# KiCad board doom_v1.kicad_pcb (continued)
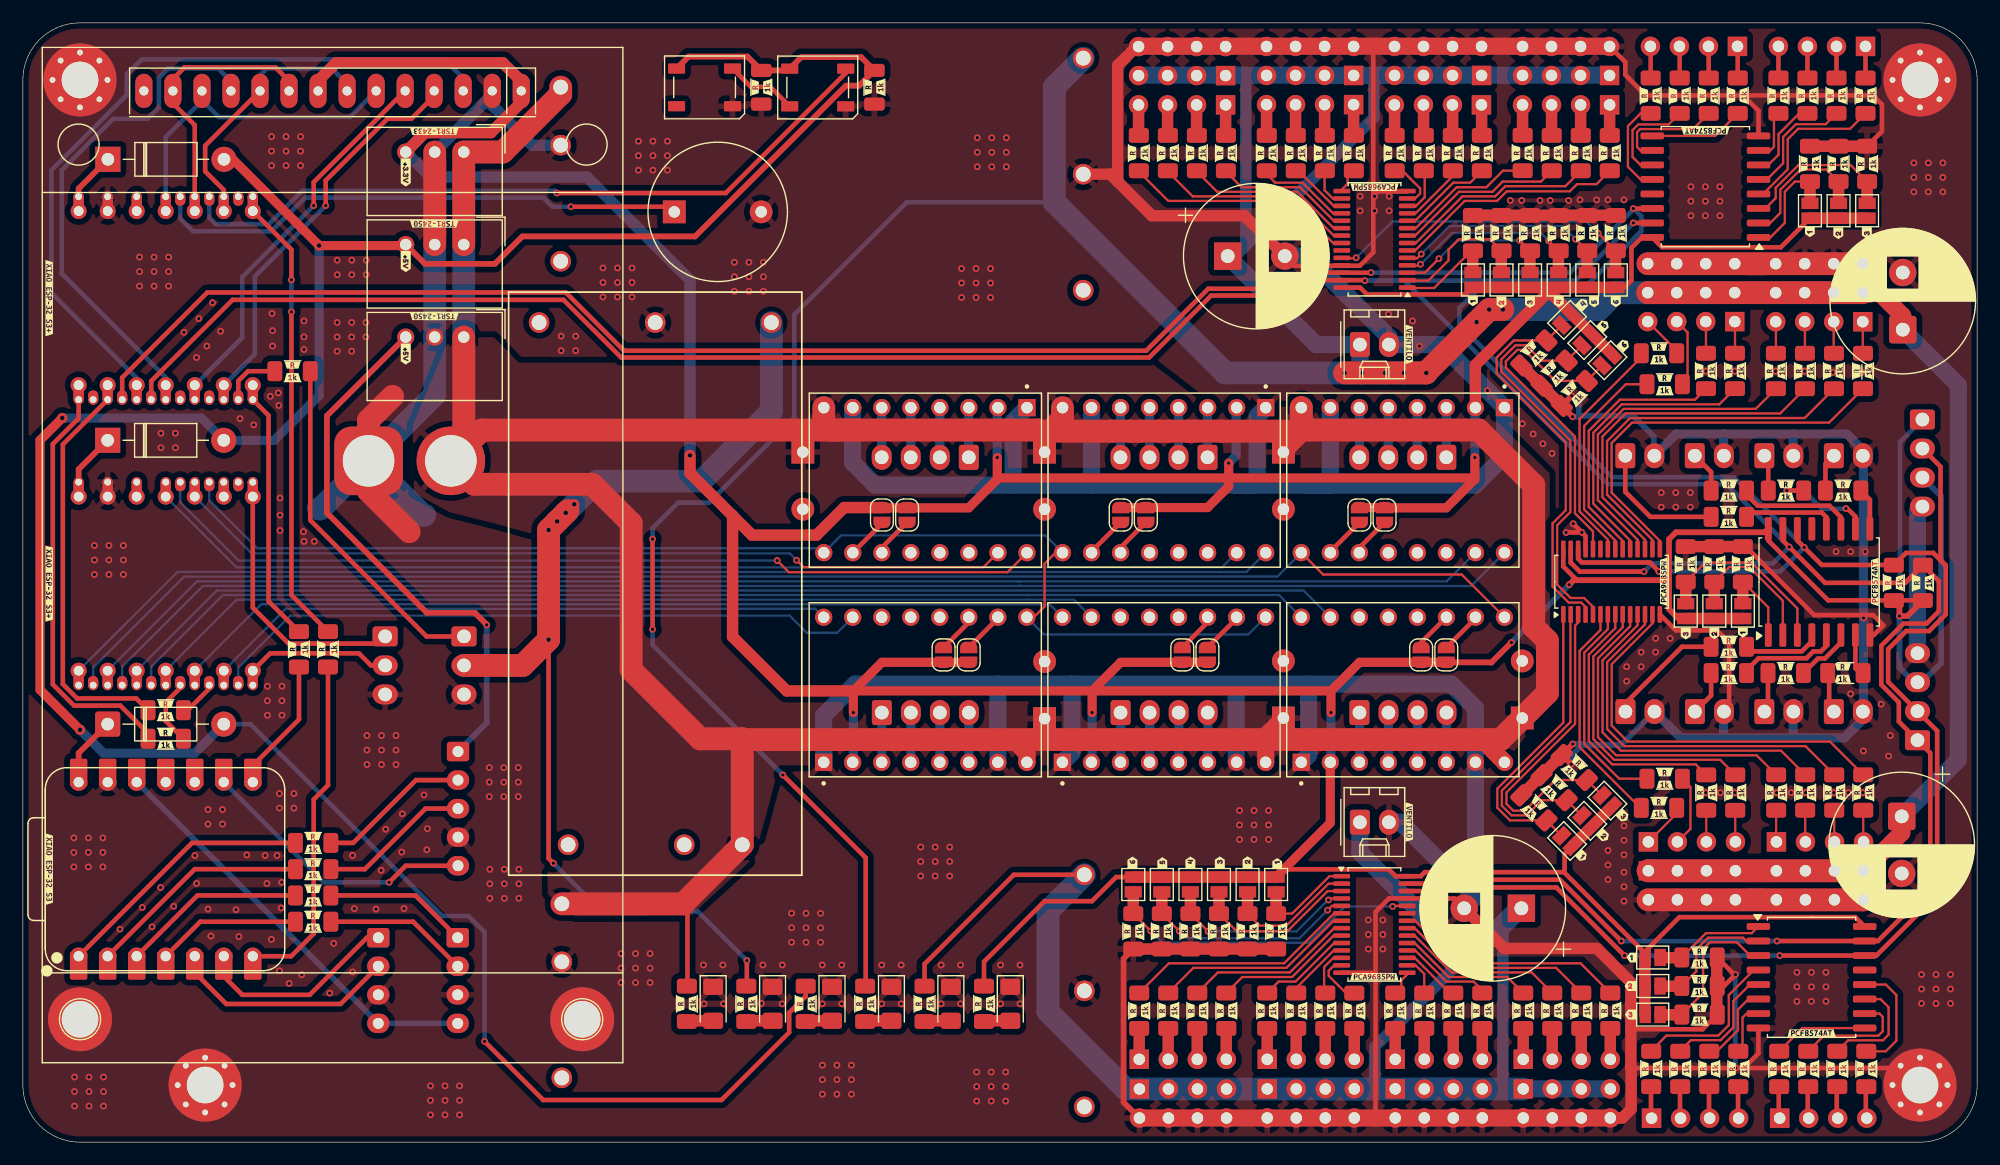
[diagram p0: board, top side]
## Placement (name value [footprint] x y rotation side) (continued)
kibuzzard-690E9406#27  G***  [kibuzzard-690E9406]  99.12 18.46 90 top
kibuzzard-690E9406#28  G***  [kibuzzard-690E9406]  96.63 18.46 90 top
kibuzzard-690E9406#29  G***  [kibuzzard-690E9406]  108.34 11.51 90 top
kibuzzard-690E9406#30  G***  [kibuzzard-690E9406]  113.38 86.6 90 top
kibuzzard-690E9406#31  G***  [kibuzzard-690E9406]  159.25 41.62 0 top
kibuzzard-690E9406#32  G***  [kibuzzard-690E9406]  132.6 29.65 315 top
kibuzzard-690E9406#33  G***  [kibuzzard-690E9406]  122.09 11.51 90 top
kibuzzard-690E9406#34  G***  [kibuzzard-690E9406]  160.83 85.65 90 top
kibuzzard-690E9406#35  G***  [kibuzzard-690E9406]  119.5 86.6 90 top
kibuzzard-690E9406#36  G***  [kibuzzard-690E9406]  160.69 91.63 90 top
kibuzzard-690E9406#37  G***  [kibuzzard-690E9406]  135.37 65.94 45 top
kibuzzard-690E9406#38  G***  [kibuzzard-690E9406]  134.37 31.41 315 top
kibuzzard-690E9406#39  G***  [kibuzzard-690E9406]  146.71 11.71 0 top
kibuzzard-690E9406#40  G***  [kibuzzard-690E9406]  157.91 67.52 90 top
kibuzzard-690E9406#41  G***  [kibuzzard-690E9406]  160.46 67.52 90 top
kibuzzard-690E9406#42  G***  [kibuzzard-690E9406]  149.25 41.62 0 top
kibuzzard-690E9406#43  G***  [kibuzzard-690E9406]  153.06 91.63 90 top
kibuzzard-690E9406#44  G***  [kibuzzard-690E9406]  108.3 86.6 90 top
kibuzzard-690E9406#45  G***  [kibuzzard-690E9406]  141.89 91.63 90 top
kibuzzard-690E9406#46  G***  [kibuzzard-690E9406]  102.21 11.51 90 top
kibuzzard-690E9406#47  G***  [kibuzzard-690E9406]  138.33 86.6 90 top
kibuzzard-690E9406#48  G***  [kibuzzard-690E9406]  57.56 12.11 90 top
kibuzzard-690E9406#49  G***  [kibuzzard-690E9406]  136.13 33.17 315 top
kibuzzard-690E9406#50  G***  [kibuzzard-690E9406]  135.82 11.51 90 top
kibuzzard-690E9406#51  G***  [kibuzzard-690E9406]  106.62 18.46 90 top
kibuzzard-690E9406#52  G***  [kibuzzard-690E9406]  133.25 86.6 90 top
kibuzzard-690E9406#53  G***  [kibuzzard-690E9406]  146.72 67.52 90 top
kibuzzard-690E9406#54  G***  [kibuzzard-690E9406]  146.71 14.21 0 top
kibuzzard-690E9406#55  G***  [kibuzzard-690E9406]  155.84 85.65 90 top
kibuzzard-690E9406#56  G***  [kibuzzard-690E9406]  130.74 11.51 90 top
kibuzzard-690E9406#57  G***  [kibuzzard-690E9406]  99.69 11.51 90 top
kibuzzard-690E9406#58  G***  [kibuzzard-690E9406]  110.85 86.6 90 top
kibuzzard-690E9406#59  G***  [kibuzzard-690E9406]  138.37 11.51 90 top
kibuzzard-690E9406#60  G***  [kibuzzard-690E9406]  12.5 35.86 0 top
kibuzzard-690E9406#61  G***  [kibuzzard-690E9406]  149.27 57.58 0 top
kibuzzard-690E9406#62  G***  [kibuzzard-690E9406]  99.65 86.6 90 top
kibuzzard-690E9406#63  G***  [kibuzzard-690E9406]  155.38 67.52 90 top
kibuzzard-690E9406#64  G***  [kibuzzard-690E9406]  128.84 79.59 90 top
kibuzzard-690E9406#65  G***  [kibuzzard-690E9406]  153.14 6.41 90 top
kibuzzard-690E9406#66  G***  [kibuzzard-690E9406]  25.4 24.43 0 top
kibuzzard-690E9406#67  G***  [kibuzzard-690E9406]  149.27 55.28 0 top
kibuzzard-690E9406#68  G***  [kibuzzard-690E9406]  73.16 12.11 90 top
kibuzzard-690E9406#69  G***  [kibuzzard-690E9406]  158.33 85.65 90 top
kibuzzard-690E9406#70  G***  [kibuzzard-690E9406]  113.42 11.51 90 top
kibuzzard-690E9406#71  G***  [kibuzzard-690E9406]  131.34 79.59 90 top
kibuzzard-690E9406#72  G***  [kibuzzard-690E9406]  23.6 43.15 90 top
kibuzzard-690E9406#73  G***  [kibuzzard-690E9406]  160.5 30.61 90 top
kibuzzard-690E9406#74  G***  [kibuzzard-690E9406]  149.56 6.41 90 top
kibuzzard-690E9406#75  G***  [kibuzzard-690E9406]  64.07 92.35 90 top
kibuzzard-690E9406#76  G***  [kibuzzard-690E9406]  115.93 86.6 90 top
kibuzzard-690E9406#77  G***  [kibuzzard-690E9406]  158.22 6.41 90 top
kibuzzard-690E9406#78  G***  [kibuzzard-690E9406]  143.16 69.61 0 top
kibuzzard-690E9406#79  G***  [kibuzzard-690E9406]  67.97 12.11 90 top
kibuzzard-690E9406#80  G***  [kibuzzard-690E9406]  143.66 66.9 0 top
kibuzzard-690E9406#81  G***  [kibuzzard-690E9406]  158.14 91.63 90 top
kibuzzard-690E9406#82  G***  [kibuzzard-690E9406]  126.35 79.59 90 top
kibuzzard-690E9406#83  G***  [kibuzzard-690E9406]  133.85 79.59 90 top
kibuzzard-690E9406#84  G***  [kibuzzard-690E9406]  144.44 91.63 90 top
kibuzzard-690E9406#85  G***  [kibuzzard-690E9406]  149.95 50.6 90 top
kibuzzard-690E9406#86  G***  [kibuzzard-690E9406]  155.42 30.61 90 top
kibuzzard-690E9406#87  G***  [kibuzzard-690E9406]  124.62 11.51 90 top
kibuzzard-690E9406#88  G***  [kibuzzard-690E9406]  146.71 16.7 0 top
kibuzzard-690E9406#89  G***  [kibuzzard-690E9406]  154.25 41.62 0 top
kibuzzard-690E9406#90  G***  [kibuzzard-690E9406]  147.01 6.41 90 top
kibuzzard-690E9406#91  G***  [kibuzzard-690E9406]  149.27 43.92 0 top
kibuzzard-690E9406#92  G***  [kibuzzard-690E9406]  149.3 30.61 90 top
kibuzzard-690E9406#93  G***  [kibuzzard-690E9406]  25.4 26.75 0 top
kibuzzard-690E9406#94  G***  [kibuzzard-690E9406]  141.93 6.41 90 top
kibuzzard-690E9406#95  G***  [kibuzzard-690E9406]  12.5 38.35 0 top
kibuzzard-690E9406#96  G***  [kibuzzard-690E9406]  159.27 57.58 0 top
kibuzzard-690E9406#97  G***  [kibuzzard-690E9406]  104.72 86.6 90 top
kibuzzard-690E9406#98  G***  [kibuzzard-690E9406]  149.27 67.52 90 top
kibuzzard-690E9406#99  G***  [kibuzzard-690E9406]  146.97 91.63 90 top
kibuzzard-690E9406#100  G***  [kibuzzard-690E9406]  124.58 86.6 90 top
kibuzzard-690E9406#101  G***  [kibuzzard-690E9406]  110.89 11.51 90 top
kibuzzard-690E9406#102  G***  [kibuzzard-690E9406]  149.52 91.63 90 top
kibuzzard-690E9406#103  G***  [kibuzzard-690E9406]  157.95 30.61 90 top
kibuzzard-690E9406#104  G***  [kibuzzard-690E9406]  146.75 30.61 90 top
kibuzzard-690E9406#105  G***  [kibuzzard-690E9406]  97.14 11.51 90 top
kibuzzard-690E9406#106  G***  [kibuzzard-690E9406]  62.77 12.11 90 top
kibuzzard-690E9406#107  G***  [kibuzzard-690E9406]  152.83 67.52 90 top
kibuzzard-690E9406#108  G***  [kibuzzard-690E9406]  127.13 86.6 90 top
kibuzzard-690E9406#109  G***  [kibuzzard-690E9406]  115.97 11.51 90 top
kibuzzard-690E9406#110  G***  [kibuzzard-690E9406]  136.35 79.59 90 top
kibuzzard-690E9406#111  G***  [kibuzzard-690E9406]  144.96 50.6 90 top
kibuzzard-690E9406#112  G***  [kibuzzard-690E9406]  160.77 6.41 90 top
kibuzzard-690E9406#113  G***  [kibuzzard-690E9406]  147.45 50.6 90 top
kibuzzard-690E9406#114  G***  [kibuzzard-690E9406]  78.36 12.11 90 top
kibuzzard-690E9406#115  G***  [kibuzzard-690E9406]  133.29 11.51 90 top
kibuzzard-690E9406#116  G***  [kibuzzard-690E9406]  119.54 11.51 90 top
kibuzzard-690E9406#117  G***  [kibuzzard-690E9406]  122.05 86.6 90 top
kibuzzard-690E9406#118  G***  [kibuzzard-690E9406]  109.12 18.46 90 top
kibuzzard-695BAB1F  G***  [kibuzzard-695BAB1F]  139.9 23.8 0 bottom
kibuzzard-695BAB1F#2  G***  [kibuzzard-695BAB1F]  139.8 74.39 0 bottom
kibuzzard-695BAB1F#3  G***  [kibuzzard-695BAB1F]  95.3 93.4 0 bottom
kibuzzard-695BAB1F#4  G***  [kibuzzard-695BAB1F]  95.4 4.7 0 bottom
kibuzzard-695BAB33  G***  [kibuzzard-695BAB33]  139.7 76.9 0 bottom
kibuzzard-695BAB33#2  G***  [kibuzzard-695BAB33]  139.8 21.2 0 bottom
kibuzzard-695BAB33#3  G***  [kibuzzard-695BAB33]  95.2 95.9 0 bottom
kibuzzard-695BAB33#4  G***  [kibuzzard-695BAB33]  95.3 2.1 0 bottom
kibuzzard-695BAB45  G***  [kibuzzard-695BAB45]  95.1 90.8 0 bottom
kibuzzard-695BAB45#2  G***  [kibuzzard-695BAB45]  139.6 71.8 0 bottom
kibuzzard-695BAB45#3  G***  [kibuzzard-695BAB45]  95.2 7.2 0 bottom
kibuzzard-695BAB45#4  G***  [kibuzzard-695BAB45]  139.7 26.3 0 bottom
kibuzzard-695BB0F3  G***  [kibuzzard-695BB0F3]  97.09 24.5 90 top
kibuzzard-695BB0F3#2  G***  [kibuzzard-695BB0F3]  140.08 69.79 45 top
kibuzzard-695BB0F3#3  G***  [kibuzzard-695BB0F3]  17.6 39.4 270 bottom
kibuzzard-695BB0F3#4  G***  [kibuzzard-695BB0F3]  17.6 64.42 270 bottom
kibuzzard-695BB0F3#5  G***  [kibuzzard-695BB0F3]  17.6 15.2 270 bottom
kibuzzard-695BB1B1  G***  [kibuzzard-695BB1B1]  104.73 24.5 90 top
kibuzzard-695BB1B1#2  G***  [kibuzzard-695BB1B1]  140.02 28.54 315 top
kibuzzard-695BB1B1#3  G***  [kibuzzard-695BB1B1]  9.95 15.25 270 bottom
kibuzzard-695BB1B1#4  G***  [kibuzzard-695BB1B1]  9.95 64.31 270 bottom
kibuzzard-695BB1B1#5  G***  [kibuzzard-695BB1B1]  9.96 39.3 270 bottom
kibuzzard-695BB2BC  G***  [kibuzzard-695BB2BC]  137.48 73.58 90 top
kibuzzard-695BB2C2  G***  [kibuzzard-695BB2C2]  139.38 73.6 90 top
kibuzzard-695BB11A  G***  [kibuzzard-695BB11A]  102.16 24.5 90 top
kibuzzard-695BB11A#2  G***  [kibuzzard-695BB11A]  136.49 73.37 45 top
kibuzzard-695BB11A#3  G***  [kibuzzard-695BB11A]  12.5 15.2 270 bottom
kibuzzard-695BB11A#4  G***  [kibuzzard-695BB11A]  12.5 64.42 270 bottom
kibuzzard-695BB11A#5  G***  [kibuzzard-695BB11A]  12.5 39.4 270 bottom
kibuzzard-695BB20B  G***  [kibuzzard-695BB20B]  158.85 79.58 90 top
kibuzzard-695BB20B#2  G***  [kibuzzard-695BB20B]  129.37 73.53 90 top
kibuzzard-695BB20B#3  G***  [kibuzzard-695BB20B]  148 44.55 90 top
kibuzzard-695BB20B#4  G***  [kibuzzard-695BB20B]  140.67 13.67 0 top
kibuzzard-695BB29E  G***  [kibuzzard-695BB29E]  134.39 73.6 90 top
kibuzzard-695BB107  G***  [kibuzzard-695BB107]  138.31 71.49 45 top
kibuzzard-695BB107#2  G***  [kibuzzard-695BB107]  99.7 24.46 90 top
kibuzzard-695BB107#3  G***  [kibuzzard-695BB107]  15.05 15.2 270 bottom
kibuzzard-695BB107#4  G***  [kibuzzard-695BB107]  15.05 64.47 270 bottom
kibuzzard-695BB107#5  G***  [kibuzzard-695BB107]  15.05 39.45 270 bottom
kibuzzard-695BB132  G***  [kibuzzard-695BB132]  109.76 24.43 90 top
kibuzzard-695BB132#2  G***  [kibuzzard-695BB132]  136.42 25.04 315 top
kibuzzard-695BB132#3  G***  [kibuzzard-695BB132]  4.9 15.25 270 bottom
kibuzzard-695BB132#4  G***  [kibuzzard-695BB132]  4.85 39.35 270 bottom
kibuzzard-695BB132#5  G***  [kibuzzard-695BB132]  4.85 64.37 270 bottom
kibuzzard-695BB141  G***  [kibuzzard-695BB141]  138.31 26.82 315 top
kibuzzard-695BB141#2  G***  [kibuzzard-695BB141]  107.16 24.51 90 top
kibuzzard-695BB141#3  G***  [kibuzzard-695BB141]  7.45 39.35 270 bottom
kibuzzard-695BB141#4  G***  [kibuzzard-695BB141]  7.45 64.37 270 bottom
kibuzzard-695BB141#5  G***  [kibuzzard-695BB141]  7.5 15.25 270 bottom
kibuzzard-695BB202  G***  [kibuzzard-695BB202]  156.36 79.68 90 top
kibuzzard-695BB202#2  G***  [kibuzzard-695BB202]  126.88 73.63 90 top
kibuzzard-695BB202#3  G***  [kibuzzard-695BB202]  140.77 16.16 0 top
kibuzzard-695BB202#4  G***  [kibuzzard-695BB202]  150.5 44.61 90 top
kibuzzard-695BB219  G***  [kibuzzard-695BB219]  131.87 73.55 90 top
kibuzzard-695BB219#2  G***  [kibuzzard-695BB219]  145.5 44.52 90 top
kibuzzard-695BB219#3  G***  [kibuzzard-695BB219]  140.69 11.17 0 top
kibuzzard-695BB219#4  G***  [kibuzzard-695BB219]  161.35 79.6 90 top
kibuzzard-6919B3C0  G***  [kibuzzard-6919B3C0]  118.25 14.49 0 top
kibuzzard-6919B3C0#2  G***  [kibuzzard-6919B3C0]  143.58 49.07 90 top
kibuzzard-6919B3C0#3  G***  [kibuzzard-6919B3C0]  118.27 83.62 180 top
kibuzzard-6919B435  G***  [kibuzzard-6919B435]  156.51 9.55 0 top
kibuzzard-6919B435#2  G***  [kibuzzard-6919B435]  162.05 49.05 90 top
kibuzzard-6919B435#3  G***  [kibuzzard-6919B435]  147.22 88.55 180 top
kibuzzard-69660C20  G***  [kibuzzard-69660C20]  2.3 23.9 270 top
kibuzzard-69660C35  G***  [kibuzzard-69660C35]  2.3 73.9 270 top
kibuzzard-69660C35#2  G***  [kibuzzard-69660C35]  2.3 48.9 270 top
kibuzzard-69660D7D  G***  [kibuzzard-69660D7D]  41.98 29.2 90 bottom
kibuzzard-69660D40  G***  [kibuzzard-69660D40]  41.98 41.7 90 bottom
kibuzzard-69660D61  G***  [kibuzzard-69660D61]  35.08 41.74 90 bottom
kibuzzard-69660D89  G***  [kibuzzard-69660D89]  35 14.15 90 bottom
kibuzzard-69660DA9  G***  [kibuzzard-69660DA9]  41.9 14.15 90 bottom
kibuzzard-69660E3A  G***  [kibuzzard-69660E3A]  36 72.3 180 top
kibuzzard-69660E3A#2  G***  [kibuzzard-69660E3A]  36 80.4 180 top
kibuzzard-69660E4E  G***  [kibuzzard-69660E4E]  36 88.5 180 top
kibuzzard-69660E07  G***  [kibuzzard-69660E07]  33.5 84.9 270 top
kibuzzard-69660E18  G***  [kibuzzard-69660E18]  33.5 77.1 270 top
kibuzzard-69660E18#2  G***  [kibuzzard-69660E18]  33.5 69 270 top
kibuzzard-69660E18#3  G***  [kibuzzard-69660E18]  94.5 23.4 0 bottom
kibuzzard-69660E18#4  G***  [kibuzzard-69660E18]  94.4 94.9 0 bottom
kibuzzard-69660EB1  G***  [kibuzzard-69660EB1]  49 20.8 0 bottom
kibuzzard-69660EB1#2  G***  [kibuzzard-69660EB1]  48.9 92.4 0 bottom
kibuzzard-69660EB1#3  G***  [kibuzzard-69660EB1]  64.8 26 0 bottom
kibuzzard-69660EC5  G***  [kibuzzard-69660EC5]  67.3 71.7 0 bottom
kibuzzard-69660F98  G***  [kibuzzard-69660F98]  121.3 28.03 270 top
kibuzzard-69660F98#2  G***  [kibuzzard-69660F98]  121.3 69.85 270 top
kibuzzard-69660FCD  G***  [kibuzzard-69660FCD]  169.59 59.46 90 bottom
kibuzzard-69660FCD#2  G***  [kibuzzard-69660FCD]  169.2 39 90 bottom
kibuzzard-69661CF9  G***  [kibuzzard-69661CF9]  17.6 28.75 270 bottom
kibuzzard-69661D3F  G***  [kibuzzard-69661D3F]  10 18.55 270 bottom
kibuzzard-69661D4F  G***  [kibuzzard-69661D4F]  12.5 18.55 270 bottom
kibuzzard-69661D18  G***  [kibuzzard-69661D18]  17.55 18.8 270 bottom
kibuzzard-69661D24  G***  [kibuzzard-69661D24]  15.05 18.75 270 bottom
kibuzzard-69661D68  G***  [kibuzzard-69661D68]  4.9 18.6 270 bottom
kibuzzard-69661D71  G***  [kibuzzard-69661D71]  7.4 18.6 270 bottom
kibuzzard-696610AC  G***  [kibuzzard-696610AC]  16.3 64.32 270 bottom
kibuzzard-696610AC#2  G***  [kibuzzard-696610AC]  16.3 39.3 270 bottom
kibuzzard-696610B2  G***  [kibuzzard-696610B2]  18.85 39.2 270 bottom
kibuzzard-696610B2#2  G***  [kibuzzard-696610B2]  18.85 64.22 270 bottom
kibuzzard-696610F5  G***  [kibuzzard-696610F5]  4.9 42.9 270 bottom
kibuzzard-696612F6  G***  [kibuzzard-696612F6]  12.5 43.2 270 bottom
kibuzzard-696615A6  G***  [kibuzzard-696615A6]  7.41 83.59 270 bottom
kibuzzard-696615A6#2  G***  [kibuzzard-696615A6]  7.43 32.7 270 bottom
kibuzzard-696615A6#3  G***  [kibuzzard-696615A6]  7.41 58.57 270 bottom
kibuzzard-696615B4  G***  [kibuzzard-696615B4]  4.88 58.57 270 bottom
kibuzzard-696615B4#2  G***  [kibuzzard-696615B4]  4.88 83.59 270 bottom
kibuzzard-696615B4#3  G***  [kibuzzard-696615B4]  4.9 32.7 270 bottom
kibuzzard-696615DF  G***  [kibuzzard-696615DF]  4.85 80.12 270 bottom
kibuzzard-696615DF#2  G***  [kibuzzard-696615DF]  4.85 55.1 270 bottom
kibuzzard-696615DF#3  G***  [kibuzzard-696615DF]  4.85 30.05 270 bottom
kibuzzard-696615E7  G***  [kibuzzard-696615E7]  7.4 29.95 270 bottom
kibuzzard-696615E7#2  G***  [kibuzzard-696615E7]  7.4 80.02 270 bottom
kibuzzard-696615E7#3  G***  [kibuzzard-696615E7]  7.4 55 270 bottom
kibuzzard-696615F2  G***  [kibuzzard-696615F2]  9.96 55.4 270 bottom
kibuzzard-696615F2#2  G***  [kibuzzard-696615F2]  9.95 80.41 270 bottom
kibuzzard-696615F2#3  G***  [kibuzzard-696615F2]  15.05 30.35 270 bottom
kibuzzard-696615F2#4  G***  [kibuzzard-696615F2]  12.5 30.35 270 bottom
kibuzzard-696615FB  G***  [kibuzzard-696615FB]  12.5 54.6 270 bottom
kibuzzard-696616AE  G***  [kibuzzard-696616AE]  20.15 55.5 270 bottom
kibuzzard-696617C6  G***  [kibuzzard-696617C6]  18.85 66.65 270 bottom
kibuzzard-696618CD  G***  [kibuzzard-696618CD]  17.6 67.7 270 bottom
kibuzzard-696618D8  G***  [kibuzzard-696618D8]  6.15 66.05 270 bottom
kibuzzard-696618D8#2  G***  [kibuzzard-696618D8]  16.3 66.05 270 bottom
kibuzzard-696618D8#3  G***  [kibuzzard-696618D8]  13.75 66.05 270 bottom
kibuzzard-696618E1  G***  [kibuzzard-696618E1]  15.05 67.5 270 bottom
kibuzzard-696618FB  G***  [kibuzzard-696618FB]  12.5 69.05 270 bottom
kibuzzard-696619A4  G***  [kibuzzard-696619A4]  15.05 79.9 270 bottom
kibuzzard-696619AE  G***  [kibuzzard-696619AE]  13.75 80.7 270 bottom
kibuzzard-696619B9  G***  [kibuzzard-696619B9]  16.3 81.35 270 bottom
kibuzzard-696619C5  G***  [kibuzzard-696619C5]  12.5 79.9 270 bottom
kibuzzard-696635A7  G***  [kibuzzard-696635A7]  78.97 40.99 180 bottom
kibuzzard-696635B3  G***  [kibuzzard-696635B3]  78.96 56.58 0 bottom
kibuzzard-696635C7  G***  [kibuzzard-696635C7]  99.86 40.95 180 bottom
kibuzzard-6966108D  G***  [kibuzzard-6966108D]  8.7 64.27 270 bottom
kibuzzard-6966108D#2  G***  [kibuzzard-6966108D]  8.7 39.25 270 bottom
kibuzzard-6966109D  G***  [kibuzzard-6966109D]  13.8 64.37 270 bottom
kibuzzard-6966109D#2  G***  [kibuzzard-6966109D]  13.8 39.35 270 bottom
kibuzzard-6966114B  G***  [kibuzzard-6966114B]  8.7 41.55 270 bottom
kibuzzard-6966120A  G***  [kibuzzard-6966120A]  9.95 43.15 270 bottom
kibuzzard-6966130D  G***  [kibuzzard-6966130D]  15.05 42.9 270 bottom
kibuzzard-6966154A  G***  [kibuzzard-6966154A]  18.85 83.62 270 bottom
kibuzzard-6966154A#2  G***  [kibuzzard-6966154A]  18.85 58.6 270 bottom
kibuzzard-6966156F  G***  [kibuzzard-6966156F]  15.07 32.78 270 bottom
kibuzzard-6966156F#2  G***  [kibuzzard-6966156F]  15.05 58.65 270 bottom
kibuzzard-6966156F#3  G***  [kibuzzard-6966156F]  15.05 83.67 270 bottom
kibuzzard-6966157F  G***  [kibuzzard-6966157F]  13.76 83.72 270 bottom
kibuzzard-6966157F#2  G***  [kibuzzard-6966157F]  13.76 58.7 270 bottom
kibuzzard-6966158A  G***  [kibuzzard-6966158A]  12.5 83.58 270 bottom
kibuzzard-6966158A#2  G***  [kibuzzard-6966158A]  12.52 32.69 270 bottom
kibuzzard-6966158A#3  G***  [kibuzzard-6966158A]  12.5 58.56 270 bottom
kibuzzard-6966173E  G***  [kibuzzard-6966173E]  20.15 67.55 270 bottom
kibuzzard-6966173E#2  G***  [kibuzzard-6966173E]  20.15 17.48 270 bottom
kibuzzard-6966191A  G***  [kibuzzard-6966191A]  9.95 68.95 270 bottom
kibuzzard-6966193D  G***  [kibuzzard-6966193D]  7.45 68.9 270 bottom
kibuzzard-6966356E  G***  [kibuzzard-6966356E]  99.85 56.61 0 bottom
kibuzzard-69661065  G***  [kibuzzard-69661065]  20.15 64.42 270 bottom
kibuzzard-69661065#2  G***  [kibuzzard-69661065]  20.15 39.4 270 bottom
kibuzzard-69661065#3  G***  [kibuzzard-69661065]  20.15 15.25 270 bottom
kibuzzard-69661085  G***  [kibuzzard-69661085]  6.15 39.25 270 bottom
kibuzzard-69661085#2  G***  [kibuzzard-69661085]  6.15 64.27 270 bottom
kibuzzard-69661095  G***  [kibuzzard-69661095]  11.25 64.32 270 bottom
kibuzzard-69661095#2  G***  [kibuzzard-69661095]  11.25 39.3 270 bottom
kibuzzard-69661106  G***  [kibuzzard-69661106]  6.15 41.6 270 bottom
kibuzzard-69661140  G***  [kibuzzard-69661140]  7.45 43.15 270 bottom
kibuzzard-69661228  G***  [kibuzzard-69661228]  11.22 41.6 270 bottom
kibuzzard-69661301  G***  [kibuzzard-69661301]  16.3 42.55 270 bottom
kibuzzard-69661316  G***  [kibuzzard-69661316]  13.75 42.55 270 bottom
kibuzzard-69661356  G***  [kibuzzard-69661356]  17.6 42.9 270 bottom
kibuzzard-69661362  G***  [kibuzzard-69661362]  18.85 41.9 270 bottom
kibuzzard-69661370  G***  [kibuzzard-69661370]  20.15 42.9 270 bottom
kibuzzard-69661534  G***  [kibuzzard-69661534]  20.13 83.43 270 bottom
kibuzzard-69661534#2  G***  [kibuzzard-69661534]  20.13 58.41 270 bottom
kibuzzard-69661534#3  G***  [kibuzzard-69661534]  20.15 32.54 270 bottom
kibuzzard-69661555  G***  [kibuzzard-69661555]  16.3 58.6 270 bottom
kibuzzard-69661555#2  G***  [kibuzzard-69661555]  16.3 83.62 270 bottom
kibuzzard-69661560  G***  [kibuzzard-69661560]  17.6 32.58 270 bottom
kibuzzard-69661560#2  G***  [kibuzzard-69661560]  17.57 83.46 270 bottom
kibuzzard-69661560#3  G***  [kibuzzard-69661560]  17.58 58.45 270 bottom
kibuzzard-69661599  G***  [kibuzzard-69661599]  9.95 58.62 270 bottom
kibuzzard-69661599#2  G***  [kibuzzard-69661599]  9.97 32.75 270 bottom
kibuzzard-69661599#3  G***  [kibuzzard-69661599]  9.95 83.64 270 bottom
kibuzzard-69661603  G***  [kibuzzard-69661603]  13.77 56.15 270 bottom
kibuzzard-69661619  G***  [kibuzzard-69661619]  15.05 54.6 270 bottom
kibuzzard-69661620  G***  [kibuzzard-69661620]  16.3 56.5 270 bottom
kibuzzard-69661643  G***  [kibuzzard-69661643]  17.6 55.5 270 bottom
kibuzzard-69661648  G***  [kibuzzard-69661648]  18.85 81.77 270 bottom
kibuzzard-69661648#2  G***  [kibuzzard-69661648]  18.85 56.75 270 bottom
kibuzzard-69661907  G***  [kibuzzard-69661907]  11.25 66.4 270 bottom
kibuzzard-69661922  G***  [kibuzzard-69661922]  8.7 66.4 270 bottom
kibuzzard-69661960  G***  [kibuzzard-69661960]  4.9 68.9 270 bottom
kibuzzard-69661984  G***  [kibuzzard-69661984]  20.1 80.25 270 bottom
kibuzzard-69661984#2  G***  [kibuzzard-69661984]  20.1 30.18 270 bottom
kibuzzard-69661991  G***  [kibuzzard-69661991]  17.6 80.1 270 bottom
kibuzzard-69663465  G***  [kibuzzard-69663465]  9.95 29.75 270 bottom
kibuzzard-69663545  G***  [kibuzzard-69663545]  120.74 56.58 0 bottom
kibuzzard-69663559  G***  [kibuzzard-69663559]  121.1 40.95 180 bottom
PS2  TEN_50-2411  [TEN50_TRP]  47.06 92.37 0 bottom
PS3  TEN_50-2412  [TEN50_TRP]  62.95 26.04 90 top
PS4  TEN_50-2411  [TEN50_TRP]  47.16 20.87 0 bottom
R1  R_Small  [R_1206_3216Metric_Pad1.30x1.75mm_HandSolder]  97.68 11.51 270 top
R2  R_Small  [R_1206_3216Metric_Pad1.30x1.75mm_HandSolder]  100.22 11.51 270 top
R3  R_Small  [R_1206_3216Metric_Pad1.30x1.75mm_HandSolder]  102.76 11.51 270 top
R4  R_Small  [R_1206_3216Metric_Pad1.30x1.75mm_HandSolder]  105.3 11.51 90 top
R5  R_Small  [R_1206_3216Metric_Pad1.30x1.75mm_HandSolder]  108.88 11.51 270 top
R6  R_Small  [R_1206_3216Metric_Pad1.30x1.75mm_HandSolder]  111.42 11.51 270 top
R7  R_Small  [R_1206_3216Metric_Pad1.30x1.75mm_HandSolder]  113.96 11.51 270 top
R8  R_Small  [R_1206_3216Metric_Pad1.30x1.75mm_HandSolder]  116.5 11.5 90 top
R9  R_Small  [R_1206_3216Metric_Pad1.30x1.75mm_HandSolder]  120.08 11.51 270 top
R10  R_Small  [R_1206_3216Metric_Pad1.30x1.75mm_HandSolder]  122.62 11.51 270 top
R11  R_Small  [R_1206_3216Metric_Pad1.30x1.75mm_HandSolder]  125.16 11.51 270 top
R12  R_Small  [R_1206_3216Metric_Pad1.30x1.75mm_HandSolder]  127.7 11.51 90 top
R13  R_Small  [R_1206_3216Metric_Pad1.30x1.75mm_HandSolder]  131.28 11.51 270 top
R14  R_Small  [R_1206_3216Metric_Pad1.30x1.75mm_HandSolder]  133.82 11.51 270 top
R15  R_Small  [R_1206_3216Metric_Pad1.30x1.75mm_HandSolder]  136.36 11.51 270 top
R16  R_Small  [R_1206_3216Metric_Pad1.30x1.75mm_HandSolder]  138.9 11.51 90 top
R17  R_Small  [R_1206_3216Metric_Pad1.30x1.75mm_HandSolder]  138.86 86.6 90 top
R18  R_Small  [R_1206_3216Metric_Pad1.30x1.75mm_HandSolder]  136.32 86.6 90 top
R19  R_Small  [R_1206_3216Metric_Pad1.30x1.75mm_HandSolder]  133.78 86.6 90 top
R20  R_Small  [R_1206_3216Metric_Pad1.30x1.75mm_HandSolder]  131.23 86.61 270 top
R21  R_Small  [R_1206_3216Metric_Pad1.30x1.75mm_HandSolder]  127.66 86.6 90 top
R22  R_Small  [R_1206_3216Metric_Pad1.30x1.75mm_HandSolder]  125.12 86.6 90 top
R23  R_Small  [R_1206_3216Metric_Pad1.30x1.75mm_HandSolder]  122.58 86.6 90 top
R24  R_Small  [R_1206_3216Metric_Pad1.30x1.75mm_HandSolder]  120.03 86.6 270 top
R25  R_Small  [R_1206_3216Metric_Pad1.30x1.75mm_HandSolder]  116.46 86.6 90 top
R26  R_Small  [R_1206_3216Metric_Pad1.30x1.75mm_HandSolder]  113.92 86.6 90 top
R27  R_Small  [R_1206_3216Metric_Pad1.30x1.75mm_HandSolder]  111.38 86.6 90 top
R28  R_Small  [R_1206_3216Metric_Pad1.30x1.75mm_HandSolder]  108.84 86.6 270 top
R29  R_Small  [R_1206_3216Metric_Pad1.30x1.75mm_HandSolder]  105.27 86.6 90 top
R30  R_Small  [R_1206_3216Metric_Pad1.30x1.75mm_HandSolder]  102.73 86.6 90 top
R31  R_Small  [R_1206_3216Metric_Pad1.30x1.75mm_HandSolder]  100.19 86.6 90 top
R32  R_Small  [R_1206_3216Metric_Pad1.30x1.75mm_HandSolder]  97.65 86.6 270 top
R33  R_Small  [R_1206_3216Metric_Pad1.30x1.75mm_HandSolder]  143.16 29.27 0 top
R34  R_Small  [R_1206_3216Metric_Pad1.30x1.75mm_HandSolder]  143.66 31.82 0 top
R35  R_Small  [R_1206_3216Metric_Pad1.30x1.75mm_HandSolder]  147.29 30.61 270 top
R36  R_Small  [R_1206_3216Metric_Pad1.30x1.75mm_HandSolder]  149.83 30.61 90 top
R37  R_Small  [R_1206_3216Metric_Pad1.30x1.75mm_HandSolder]  153.41 30.61 270 top
R38  R_Small  [R_1206_3216Metric_Pad1.30x1.75mm_HandSolder]  155.95 30.61 270 top
R39  R_Small  [R_1206_3216Metric_Pad1.30x1.75mm_HandSolder]  158.49 30.61 270 top
R40  R_Small  [R_1206_3216Metric_Pad1.30x1.75mm_HandSolder]  161.03 30.61 90 top
R41  R_Small  [R_1206_3216Metric_Pad1.30x1.75mm_HandSolder]  161.01 67.52 90 top
R42  R_Small  [R_1206_3216Metric_Pad1.30x1.75mm_HandSolder]  158.47 67.52 90 top
R43  R_Small  [R_1206_3216Metric_Pad1.30x1.75mm_HandSolder]  155.93 67.52 90 top
R44  R_Small  [R_1206_3216Metric_Pad1.30x1.75mm_HandSolder]  153.39 67.52 270 top
R45  R_Small  [R_1206_3216Metric_Pad1.30x1.75mm_HandSolder]  149.81 67.52 90 top
R46  R_Small  [R_1206_3216Metric_Pad1.30x1.75mm_HandSolder]  147.27 67.52 90 top
R47  R_Small  [R_1206_3216Metric_Pad1.30x1.75mm_HandSolder]  143.66 66.36 0 top
R48  R_Small  [R_1206_3216Metric_Pad1.30x1.75mm_HandSolder]  143.16 69.07 180 top
R49  R_Small  [R_1206_3216Metric_Pad1.30x1.75mm_HandSolder]  142.48 6.41 270 top
R50  R_Small  [R_1206_3216Metric_Pad1.30x1.75mm_HandSolder]  145.02 6.41 270 top
R51  R_Small  [R_1206_3216Metric_Pad1.30x1.75mm_HandSolder]  147.56 6.41 270 top
R52  R_Small  [R_1206_3216Metric_Pad1.30x1.75mm_HandSolder]  150.1 6.41 90 top
R53  R_Small  [R_1206_3216Metric_Pad1.30x1.75mm_HandSolder]  153.68 6.41 270 top
R54  R_Small  [R_1206_3216Metric_Pad1.30x1.75mm_HandSolder]  156.22 6.41 270 top
R55  R_Small  [R_1206_3216Metric_Pad1.30x1.75mm_HandSolder]  158.76 6.41 270 top
R56  R_Small  [R_1206_3216Metric_Pad1.30x1.75mm_HandSolder]  161.3 6.41 90 top
R57  R_Small  [R_1206_3216Metric_Pad1.30x1.75mm_HandSolder]  161.23 91.63 90 top
R58  R_Small  [R_1206_3216Metric_Pad1.30x1.75mm_HandSolder]  158.69 91.63 90 top
R59  R_Small  [R_1206_3216Metric_Pad1.30x1.75mm_HandSolder]  156.15 91.63 90 top
R60  R_Small  [R_1206_3216Metric_Pad1.30x1.75mm_HandSolder]  153.61 91.63 270 top
R61  R_Small  [R_1206_3216Metric_Pad1.30x1.75mm_HandSolder]  150.05 91.63 90 top
R62  R_Small  [R_1206_3216Metric_Pad1.30x1.75mm_HandSolder]  147.51 91.63 90 top
R63  R_Small  [R_1206_3216Metric_Pad1.30x1.75mm_HandSolder]  144.97 91.63 90 top
R64  R_Small  [R_1206_3216Metric_Pad1.30x1.75mm_HandSolder]  142.43 91.63 270 top
R65  R_Small  [R_1206_3216Metric_Pad1.30x1.75mm_HandSolder]  149.27 43.37 180 top
R66  R_Small  [R_1206_3216Metric_Pad1.30x1.75mm_HandSolder]  149.27 41.07 180 top
R67  R_Small  [R_1206_3216Metric_Pad1.30x1.75mm_HandSolder]  154.25 41.07 180 top
R68  R_Small  [R_1206_3216Metric_Pad1.30x1.75mm_HandSolder]  159.47 41.07 0 top
R69  R_Small  [R_1206_3216Metric_Pad1.30x1.75mm_HandSolder]  159.27 57.05 180 top
R70  R_Small  [R_1206_3216Metric_Pad1.30x1.75mm_HandSolder]  154.27 57.05 180 top
R71  R_Small  [R_1206_3216Metric_Pad1.30x1.75mm_HandSolder]  149.27 57.05 180 top
R72  R_Small  [R_1206_3216Metric_Pad1.30x1.75mm_HandSolder]  149.27 54.75 0 top
R73  R_Small  [R_1206_3216Metric_Pad1.30x1.75mm_HandSolder]  109.66 18.46 90 top
R74  R_Small  [R_1206_3216Metric_Pad1.30x1.75mm_HandSolder]  107.16 18.46 90 top
R75  R_Small  [R_1206_3216Metric_Pad1.30x1.75mm_HandSolder]  104.66 18.46 270 top
R76  R_Small  [R_1206_3216Metric_Pad1.30x1.75mm_HandSolder]  102.16 18.46 90 top
R77  R_Small  [R_1206_3216Metric_Pad1.30x1.75mm_HandSolder]  99.66 18.46 90 top
R78  R_Small  [R_1206_3216Metric_Pad1.30x1.75mm_HandSolder]  97.16 18.46 270 top
R79  R_Small  [R_1206_3216Metric_Pad1.30x1.75mm_HandSolder]  126.88 79.59 270 top
R80  R_Small  [R_1206_3216Metric_Pad1.30x1.75mm_HandSolder]  129.38 79.59 270 top
R81  R_Small  [R_1206_3216Metric_Pad1.30x1.75mm_HandSolder]  131.88 79.59 90 top
R82  R_Small  [R_1206_3216Metric_Pad1.30x1.75mm_HandSolder]  134.38 79.59 270 top
R83  R_Small  [R_1206_3216Metric_Pad1.30x1.75mm_HandSolder]  136.88 79.59 270 top
R84  R_Small  [R_1206_3216Metric_Pad1.30x1.75mm_HandSolder]  139.38 79.59 90 top
R85  R_Small  [R_1206_3216Metric_Pad1.30x1.75mm_HandSolder]  132.21 29.27 315 top
R86  R_Small  [R_1206_3216Metric_Pad1.30x1.75mm_HandSolder]  133.98 31.04 315 top
R87  R_Small  [R_1206_3216Metric_Pad1.30x1.75mm_HandSolder]  135.75 32.8 135 top
R88  R_Small  [R_1206_3216Metric_Pad1.30x1.75mm_HandSolder]  132.22 69.09 45 top
R89  R_Small  [R_1206_3216Metric_Pad1.30x1.75mm_HandSolder]  133.99 67.33 45 top
R90  R_Small  [R_1206_3216Metric_Pad1.30x1.75mm_HandSolder]  135.75 65.56 225 top
R91  R_Small  [R_1206_3216Metric_Pad1.30x1.75mm_HandSolder]  146.71 16.17 180 top
R92  R_Small  [R_1206_3216Metric_Pad1.30x1.75mm_HandSolder]  146.71 13.67 180 top
R93  R_Small  [R_1206_3216Metric_Pad1.30x1.75mm_HandSolder]  146.71 11.17 0 top
R94  R_Small  [R_1206_3216Metric_Pad1.30x1.75mm_HandSolder]  156.37 85.65 270 top
R95  R_Small  [R_1206_3216Metric_Pad1.30x1.75mm_HandSolder]  158.87 85.65 270 top
R96  R_Small  [R_1206_3216Metric_Pad1.30x1.75mm_HandSolder]  161.37 85.65 90 top
R97  R_Small  [R_1206_3216Metric_Pad1.30x1.75mm_HandSolder]  150.5 50.6 270 top
R98  R_Small  [R_1206_3216Metric_Pad1.30x1.75mm_HandSolder]  148 50.6 270 top
R99  R_Small  [R_1206_3216Metric_Pad1.30x1.75mm_HandSolder]  145.5 50.6 90 top
R100  47  [R_1206_3216Metric_Pad1.30x1.75mm_HandSolder]  12.5 35.32 180 top
R101  47  [R_1206_3216Metric_Pad1.30x1.75mm_HandSolder]  12.5 37.82 180 top
R102  47  [R_1206_3216Metric_Pad1.30x1.75mm_HandSolder]  25.4 26.2 180 top
R103  47  [R_1206_3216Metric_Pad1.30x1.75mm_HandSolder]  24.16 43.15 90 top
R106  47  [R_1206_3216Metric_Pad1.30x1.75mm_HandSolder]  23.6 67.5 180 top
R107  47  [R_1206_3216Metric_Pad1.30x1.75mm_HandSolder]  26.7 43.15 90 top
R108  1k  [R_1206_3216Metric_Pad1.30x1.75mm_HandSolder]  166.25 48.97 270 top
R109  1k  [R_1206_3216Metric_Pad1.30x1.75mm_HandSolder]  163.71 48.97 270 top
R110  R_Small  [R_1206_3216Metric_Pad1.30x1.75mm_HandSolder]  84.1 12.11 270 top
R111  R_Small  [R_1206_3216Metric_Pad1.30x1.75mm_HandSolder]  68.5 12.11 270 top
R112  R_Small  [R_1206_3216Metric_Pad1.30x1.75mm_HandSolder]  78.9 12.11 270 top
R113  R_Small  [R_1206_3216Metric_Pad1.30x1.75mm_HandSolder]  73.7 12.11 270 top
R114  R_Small  [R_1206_3216Metric_Pad1.30x1.75mm_HandSolder]  63.3 12.11 270 top
R115  R_Small  [R_1206_3216Metric_Pad1.30x1.75mm_HandSolder]  58.1 12.11 270 top
R117  47  [R_1206_3216Metric_Pad1.30x1.75mm_HandSolder]  25.4 21.6 180 top
R118  47  [R_1206_3216Metric_Pad1.30x1.75mm_HandSolder]  25.4 23.9 180 top
R119  47  [R_1206_3216Metric_Pad1.30x1.75mm_HandSolder]  25.4 19.3 180 top
U1  TMC2209_SILENTSTEPSTICK  [MODULE_TMC2209_SILENTSTEPSTICK]  120.75 57.96 270 top
